# Allegro board LED_FIN.brd (continued)
## Routing (per net, layer and track width the routed paths; a pad name or vN(x,y) marks a point on that pad's centre or on a via; arc(x,y) is an arc through that point) (continued)
ROW_OUT_C26: length 240
  TOP w0.6: U98.1 276.75,219.7 D12900.3 D12899.3 D12898.3 D12897.3 D12896.3 D12895.3 D12894.3 D12893.3 D12892.3 D12891.3 D12890.3 D12889.3 D12888.3 D12887.3 D12886.3 D12885.3 D12884.3 D12883.3 D12882.3 D12881.3 D12880.3 D12879.3 D12878.3 D12877.3 D12876.3 D12875.3 D12874.3 D12873.3 D12872.3 D12871.3 D11760.3 D11759.3 D11758.3 D11757.3 D11756.3 D11755.3 D11754.3 D11753.3 D11752.3 D11751.3 D11750.3 D11749.3 D11748.3 D11747.3 D11746.3 D11745.3 D11744.3 D11743.3 D11742.3 D11741.3 D11740.3 D11739.3 D11738.3 D11737.3 D11736.3 D11735.3 D11734.3 D11733.3 D11732.3 D11731.3 D10620.3 D10619.3 D10618.3 D10617.3 D10616.3 D10615.3 D10614.3 D10613.3 D10612.3 D10611.3 D10610.3 D10609.3 D10608.3 D10607.3 D10606.3 D10605.3 D10604.3 D10603.3 D10602.3 D10601.3 D10600.3 D10599.3 D10598.3 D10597.3 D10596.3 D10595.3 D10594.3 D10593.3 D10592.3 D10591.3 D9480.3 D9479.3 D9478.3 D9477.3 D9476.3 D9475.3 D9474.3 D9473.3 D9472.3 D9471.3 D9470.3 D9469.3 D9468.3 D9467.3 D9466.3 D9465.3 D9464.3 D9463.3 D9462.3 D9461.3 D9460.3 D9459.3 D9458.3 D9457.3 D9456.3 D9455.3 D9454.3 D9453.3 D9452.3 D9451.3
ROW_OUT_C27: length 240
  TOP w0.6: U97.1 276.75,221.7 D12870.3 D12869.3 D12868.3 D12867.3 D12866.3 D12865.3 D12864.3 D12863.3 D12862.3 D12861.3 D12860.3 D12859.3 D12858.3 D12857.3 D12856.3 D12855.3 D12854.3 D12853.3 D12852.3 D12851.3 D12850.3 D12849.3 D12848.3 D12847.3 D12846.3 D12845.3 D12844.3 D12843.3 D12842.3 D12841.3 D11730.3 D11729.3 D11728.3 D11727.3 D11726.3 D11725.3 D11724.3 D11723.3 D11722.3 D11721.3 D11720.3 D11719.3 D11718.3 D11717.3 D11716.3 D11715.3 D11714.3 D11713.3 D11712.3 D11711.3 D11710.3 D11709.3 D11708.3 D11707.3 D11706.3 D11705.3 D11704.3 D11703.3 D11702.3 D11701.3 D10590.3 D10589.3 D10588.3 D10587.3 D10586.3 D10585.3 D10584.3 D10583.3 D10582.3 D10581.3 D10580.3 D10579.3 D10578.3 D10577.3 D10576.3 D10575.3 D10574.3 D10573.3 D10572.3 D10571.3 D10570.3 D10569.3 D10568.3 D10567.3 D10566.3 D10565.3 D10564.3 D10563.3 D10562.3 D10561.3 D9450.3 D9449.3 D9448.3 D9447.3 D9446.3 D9445.3 D9444.3 D9443.3 D9442.3 D9441.3 D9440.3 D9439.3 D9438.3 D9437.3 D9436.3 D9435.3 D9434.3 D9433.3 D9432.3 D9431.3 D9430.3 D9429.3 D9428.3 D9427.3 D9426.3 D9425.3 D9424.3 D9423.3 D9422.3 D9421.3
ROW_OUT_C28: length 240
  TOP w0.6: U96.1 276.75,223.7 D12840.3 D12839.3 D12838.3 D12837.3 D12836.3 D12835.3 D12834.3 D12833.3 D12832.3 D12831.3 D12830.3 D12829.3 D12828.3 D12827.3 D12826.3 D12825.3 D12824.3 D12823.3 D12822.3 D12821.3 D12820.3 D12819.3 D12818.3 D12817.3 D12816.3 D12815.3 D12814.3 D12813.3 D12812.3 D12811.3 D11700.3 D11699.3 D11698.3 D11697.3 D11696.3 D11695.3 D11694.3 D11693.3 D11692.3 D11691.3 D11690.3 D11689.3 D11688.3 D11687.3 D11686.3 D11685.3 D11684.3 D11683.3 D11682.3 D11681.3 D11680.3 D11679.3 D11678.3 D11677.3 D11676.3 D11675.3 D11674.3 D11673.3 D11672.3 D11671.3 D10560.3 D10559.3 D10558.3 D10557.3 D10556.3 D10555.3 D10554.3 D10553.3 D10552.3 D10551.3 D10550.3 D10549.3 D10548.3 D10547.3 D10546.3 D10545.3 D10544.3 D10543.3 D10542.3 D10541.3 D10540.3 D10539.3 D10538.3 D10537.3 D10536.3 D10535.3 D10534.3 D10533.3 D10532.3 D10531.3 D9420.3 D9419.3 D9418.3 D9417.3 D9416.3 D9415.3 D9414.3 D9413.3 D9412.3 D9411.3 D9410.3 D9409.3 D9408.3 D9407.3 D9406.3 D9405.3 D9404.3 D9403.3 D9402.3 D9401.3 D9400.3 D9399.3 D9398.3 D9397.3 D9396.3 D9395.3 D9394.3 D9393.3 D9392.3 D9391.3
ROW_OUT_C29: length 240
  TOP w0.6: U95.1 276.75,225.7 D12810.3 D12809.3 D12808.3 D12807.3 D12806.3 D12805.3 D12804.3 D12803.3 D12802.3 D12801.3 D12800.3 D12799.3 D12798.3 D12797.3 D12796.3 D12795.3 D12794.3 D12793.3 D12792.3 D12791.3 D12790.3 D12789.3 D12788.3 D12787.3 D12786.3 D12785.3 D12784.3 D12783.3 D12782.3 D12781.3 D11670.3 D11669.3 D11668.3 D11667.3 D11666.3 D11665.3 D11664.3 D11663.3 D11662.3 D11661.3 D11660.3 D11659.3 D11658.3 D11657.3 D11656.3 D11655.3 D11654.3 D11653.3 D11652.3 D11651.3 D11650.3 D11649.3 D11648.3 D11647.3 D11646.3 D11645.3 D11644.3 D11643.3 D11642.3 D11641.3 D10530.3 D10529.3 D10528.3 D10527.3 D10526.3 D10525.3 D10524.3 D10523.3 D10522.3 D10521.3 D10520.3 D10519.3 D10518.3 D10517.3 D10516.3 D10515.3 D10514.3 D10513.3 D10512.3 D10511.3 D10510.3 D10509.3 D10508.3 D10507.3 D10506.3 D10505.3 D10504.3 D10503.3 D10502.3 D10501.3 D9390.3 D9389.3 D9388.3 D9387.3 D9386.3 D9385.3 D9384.3 D9383.3 D9382.3 D9381.3 D9380.3 D9379.3 D9378.3 D9377.3 D9376.3 D9375.3 D9374.3 D9373.3 D9372.3 D9371.3 D9370.3 D9369.3 D9368.3 D9367.3 D9366.3 D9365.3 D9364.3 D9363.3 D9362.3 D9361.3
ROW_OUT_C30: length 240
  TOP w0.6: D9331.3 D9332.3 D9333.3 D9334.3 D9335.3 D9336.3 D9337.3 D9338.3 D9339.3 D9340.3 D9341.3 D9342.3 D9343.3 D9344.3 D9345.3 D9346.3 D9347.3 D9348.3 D9349.3 D9350.3 D9351.3 D9352.3 D9353.3 D9354.3 D9355.3 D9356.3 D9357.3 D9358.3 D9359.3 D9360.3 D10471.3 D10472.3 D10473.3 D10474.3 D10475.3 D10476.3 D10477.3 D10478.3 D10479.3 D10480.3 D10481.3 D10482.3 D10483.3 D10484.3 D10485.3 D10486.3 D10487.3 D10488.3 D10489.3 D10490.3 D10491.3 D10492.3 D10493.3 D10494.3 D10495.3 D10496.3 D10497.3 D10498.3 D10499.3 D10500.3 D11611.3 D11612.3 D11613.3 D11614.3 D11615.3 D11616.3 D11617.3 D11618.3 D11619.3 D11620.3 D11621.3 D11622.3 D11623.3 D11624.3 D11625.3 D11626.3 D11627.3 D11628.3 D11629.3 D11630.3 D11631.3 D11632.3 D11633.3 D11634.3 D11635.3 D11636.3 D11637.3 D11638.3 D11639.3 D11640.3 D12751.3 D12752.3 D12753.3 D12754.3 D12755.3 D12756.3 D12757.3 D12758.3 D12759.3 D12760.3 D12761.3 D12762.3 D12763.3 D12764.3 D12765.3 D12766.3 D12767.3 D12768.3 D12769.3 D12770.3 D12771.3 D12772.3 D12773.3 D12774.3 D12775.3 D12776.3 D12777.3 D12778.3 D12779.3 D12780.3 276.75,227.7 U94.1
ROW_OUT_C31: length 240
  TOP w0.6: D9301.3 D9302.3 D9303.3 D9304.3 D9305.3 D9306.3 D9307.3 D9308.3 D9309.3 D9310.3 D9311.3 D9312.3 D9313.3 D9314.3 D9315.3 D9316.3 D9317.3 D9318.3 D9319.3 D9320.3 D9321.3 D9322.3 D9323.3 D9324.3 D9325.3 D9326.3 D9327.3 D9328.3 D9329.3 D9330.3 D10441.3 D10442.3 D10443.3 D10444.3 D10445.3 D10446.3 D10447.3 D10448.3 D10449.3 D10450.3 D10451.3 D10452.3 D10453.3 D10454.3 D10455.3 D10456.3 D10457.3 D10458.3 D10459.3 D10460.3 D10461.3 D10462.3 D10463.3 D10464.3 D10465.3 D10466.3 D10467.3 D10468.3 D10469.3 D10470.3 D11581.3 D11582.3 D11583.3 D11584.3 D11585.3 D11586.3 D11587.3 D11588.3 D11589.3 D11590.3 D11591.3 D11592.3 D11593.3 D11594.3 D11595.3 D11596.3 D11597.3 D11598.3 D11599.3 D11600.3 D11601.3 D11602.3 D11603.3 D11604.3 D11605.3 D11606.3 D11607.3 D11608.3 D11609.3 D11610.3 D12721.3 D12722.3 D12723.3 D12724.3 D12725.3 D12726.3 D12727.3 D12728.3 D12729.3 D12730.3 D12731.3 D12732.3 D12733.3 D12734.3 D12735.3 D12736.3 D12737.3 D12738.3 D12739.3 D12740.3 D12741.3 D12742.3 D12743.3 D12744.3 D12745.3 D12746.3 D12747.3 D12748.3 D12749.3 D12750.3 276.75,229.7 U93.1
ROW_OUT_C32: length 240
  TOP w0.6: D9271.3 D9272.3 D9273.3 D9274.3 D9275.3 D9276.3 D9277.3 D9278.3 D9279.3 D9280.3 D9281.3 D9282.3 D9283.3 D9284.3 D9285.3 D9286.3 D9287.3 D9288.3 D9289.3 D9290.3 D9291.3 D9292.3 D9293.3 D9294.3 D9295.3 D9296.3 D9297.3 D9298.3 D9299.3 D9300.3 D10411.3 D10412.3 D10413.3 D10414.3 D10415.3 D10416.3 D10417.3 D10418.3 D10419.3 D10420.3 D10421.3 D10422.3 D10423.3 D10424.3 D10425.3 D10426.3 D10427.3 D10428.3 D10429.3 D10430.3 D10431.3 D10432.3 D10433.3 D10434.3 D10435.3 D10436.3 D10437.3 D10438.3 D10439.3 D10440.3 D11551.3 D11552.3 D11553.3 D11554.3 D11555.3 D11556.3 D11557.3 D11558.3 D11559.3 D11560.3 D11561.3 D11562.3 D11563.3 D11564.3 D11565.3 D11566.3 D11567.3 D11568.3 D11569.3 D11570.3 D11571.3 D11572.3 D11573.3 D11574.3 D11575.3 D11576.3 D11577.3 D11578.3 D11579.3 D11580.3 D12691.3 D12692.3 D12693.3 D12694.3 D12695.3 D12696.3 D12697.3 D12698.3 D12699.3 D12700.3 D12701.3 D12702.3 D12703.3 D12704.3 D12705.3 D12706.3 D12707.3 D12708.3 D12709.3 D12710.3 D12711.3 D12712.3 D12713.3 D12714.3 D12715.3 D12716.3 D12717.3 D12718.3 D12719.3 D12720.3 276.75,231.7 U92.1
ROW_OUT_C33: length 240
  TOP w0.6: D9241.3 D9242.3 D9243.3 D9244.3 D9245.3 D9246.3 D9247.3 D9248.3 D9249.3 D9250.3 D9251.3 D9252.3 D9253.3 D9254.3 D9255.3 D9256.3 D9257.3 D9258.3 D9259.3 D9260.3 D9261.3 D9262.3 D9263.3 D9264.3 D9265.3 D9266.3 D9267.3 D9268.3 D9269.3 D9270.3 D10381.3 D10382.3 D10383.3 D10384.3 D10385.3 D10386.3 D10387.3 D10388.3 D10389.3 D10390.3 D10391.3 D10392.3 D10393.3 D10394.3 D10395.3 D10396.3 D10397.3 D10398.3 D10399.3 D10400.3 D10401.3 D10402.3 D10403.3 D10404.3 D10405.3 D10406.3 D10407.3 D10408.3 D10409.3 D10410.3 D11521.3 D11522.3 D11523.3 D11524.3 D11525.3 D11526.3 D11527.3 D11528.3 D11529.3 D11530.3 D11531.3 D11532.3 D11533.3 D11534.3 D11535.3 D11536.3 D11537.3 D11538.3 D11539.3 D11540.3 D11541.3 D11542.3 D11543.3 D11544.3 D11545.3 D11546.3 D11547.3 D11548.3 D11549.3 D11550.3 D12661.3 D12662.3 D12663.3 D12664.3 D12665.3 D12666.3 D12667.3 D12668.3 D12669.3 D12670.3 D12671.3 D12672.3 D12673.3 D12674.3 D12675.3 D12676.3 D12677.3 D12678.3 D12679.3 D12680.3 D12681.3 D12682.3 D12683.3 D12684.3 D12685.3 D12686.3 D12687.3 D12688.3 D12689.3 D12690.3 276.75,233.7 U91.1
ROW_OUT_C34: length 240
  TOP w0.6: U90.1 276.75,235.7 D12660.3 D12659.3 D12658.3 D12657.3 D12656.3 D12655.3 D12654.3 D12653.3 D12652.3 D12651.3 D12650.3 D12649.3 D12648.3 D12647.3 D12646.3 D12645.3 D12644.3 D12643.3 D12642.3 D12641.3 D12640.3 D12639.3 D12638.3 D12637.3 D12636.3 D12635.3 D12634.3 D12633.3 D12632.3 D12631.3 D11520.3 D11519.3 D11518.3 D11517.3 D11516.3 D11515.3 D11514.3 D11513.3 D11512.3 D11511.3 D11510.3 D11509.3 D11508.3 D11507.3 D11506.3 D11505.3 D11504.3 D11503.3 D11502.3 D11501.3 D11500.3 D11499.3 D11498.3 D11497.3 D11496.3 D11495.3 D11494.3 D11493.3 D11492.3 D11491.3 D10380.3 D10379.3 D10378.3 D10377.3 D10376.3 D10375.3 D10374.3 D10373.3 D10372.3 D10371.3 D10370.3 D10369.3 D10368.3 D10367.3 D10366.3 D10365.3 D10364.3 D10363.3 D10362.3 D10361.3 D10360.3 D10359.3 D10358.3 D10357.3 D10356.3 D10355.3 D10354.3 D10353.3 D10352.3 D10351.3 D9240.3 D9239.3 D9238.3 D9237.3 D9236.3 D9235.3 D9234.3 D9233.3 D9232.3 D9231.3 D9230.3 D9229.3 D9228.3 D9227.3 D9226.3 D9225.3 D9224.3 D9223.3 D9222.3 D9221.3 D9220.3 D9219.3 D9218.3 D9217.3 D9216.3 D9215.3 D9214.3 D9213.3 D9212.3 D9211.3
ROW_OUT_C35: length 240
  TOP w0.6: D9181.3 D9182.3 D9183.3 D9184.3 D9185.3 D9186.3 D9187.3 D9188.3 D9189.3 D9190.3 D9191.3 D9192.3 D9193.3 D9194.3 D9195.3 D9196.3 D9197.3 D9198.3 D9199.3 D9200.3 D9201.3 D9202.3 D9203.3 D9204.3 D9205.3 D9206.3 D9207.3 D9208.3 D9209.3 D9210.3 D10321.3 D10322.3 D10323.3 D10324.3 D10325.3 D10326.3 D10327.3 D10328.3 D10329.3 D10330.3 D10331.3 D10332.3 D10333.3 D10334.3 D10335.3 D10336.3 D10337.3 D10338.3 D10339.3 D10340.3 D10341.3 D10342.3 D10343.3 D10344.3 D10345.3 D10346.3 D10347.3 D10348.3 D10349.3 D10350.3 D11461.3 D11462.3 D11463.3 D11464.3 D11465.3 D11466.3 D11467.3 D11468.3 D11469.3 D11470.3 D11471.3 D11472.3 D11473.3 D11474.3 D11475.3 D11476.3 D11477.3 D11478.3 D11479.3 D11480.3 D11481.3 D11482.3 D11483.3 D11484.3 D11485.3 D11486.3 D11487.3 D11488.3 D11489.3 D11490.3 D12601.3 D12602.3 D12603.3 D12604.3 D12605.3 D12606.3 D12607.3 D12608.3 D12609.3 D12610.3 D12611.3 D12612.3 D12613.3 D12614.3 D12615.3 D12616.3 D12617.3 D12618.3 D12619.3 D12620.3 D12621.3 D12622.3 D12623.3 D12624.3 D12625.3 D12626.3 D12627.3 D12628.3 D12629.3 D12630.3 276.75,237.7 U89.1
ROW_OUT_C36: length 240
  TOP w0.6: D9151.3 D9152.3 D9153.3 D9154.3 D9155.3 D9156.3 D9157.3 D9158.3 D9159.3 D9160.3 D9161.3 D9162.3 D9163.3 D9164.3 D9165.3 D9166.3 D9167.3 D9168.3 D9169.3 D9170.3 D9171.3 D9172.3 D9173.3 D9174.3 D9175.3 D9176.3 D9177.3 D9178.3 D9179.3 D9180.3 D10291.3 D10292.3 D10293.3 D10294.3 D10295.3 D10296.3 D10297.3 D10298.3 D10299.3 D10300.3 D10301.3 D10302.3 D10303.3 D10304.3 D10305.3 D10306.3 D10307.3 D10308.3 D10309.3 D10310.3 D10311.3 D10312.3 D10313.3 D10314.3 D10315.3 D10316.3 D10317.3 D10318.3 D10319.3 D10320.3 D11431.3 D11432.3 D11433.3 D11434.3 D11435.3 D11436.3 D11437.3 D11438.3 D11439.3 D11440.3 D11441.3 D11442.3 D11443.3 D11444.3 D11445.3 D11446.3 D11447.3 D11448.3 D11449.3 D11450.3 D11451.3 D11452.3 D11453.3 D11454.3 D11455.3 D11456.3 D11457.3 D11458.3 D11459.3 D11460.3 D12571.3 D12572.3 D12573.3 D12574.3 D12575.3 D12576.3 D12577.3 D12578.3 D12579.3 D12580.3 D12581.3 D12582.3 D12583.3 D12584.3 D12585.3 D12586.3 D12587.3 D12588.3 D12589.3 D12590.3 D12591.3 D12592.3 D12593.3 D12594.3 D12595.3 D12596.3 D12597.3 D12598.3 D12599.3 D12600.3 276.75,239.7 U88.1
ROW_OUT_C37: length 240
  TOP w0.6: U87.1 276.75,241.7 D12570.3 D12569.3 D12568.3 D12567.3 D12566.3 D12565.3 D12564.3 D12563.3 D12562.3 D12561.3 D12560.3 D12559.3 D12558.3 D12557.3 D12556.3 D12555.3 D12554.3 D12553.3 D12552.3 D12551.3 D12550.3 D12549.3 D12548.3 D12547.3 D12546.3 D12545.3 D12544.3 D12543.3 D12542.3 D12541.3 D11430.3 D11429.3 D11428.3 D11427.3 D11426.3 D11425.3 D11424.3 D11423.3 D11422.3 D11421.3 D11420.3 D11419.3 D11418.3 D11417.3 D11416.3 D11415.3 D11414.3 D11413.3 D11412.3 D11411.3 D11410.3 D11409.3 D11408.3 D11407.3 D11406.3 D11405.3 D11404.3 D11403.3 D11402.3 D11401.3 D10290.3 D10289.3 D10288.3 D10287.3 D10286.3 D10285.3 D10284.3 D10283.3 D10282.3 D10281.3 D10280.3 D10279.3 D10278.3 D10277.3 D10276.3 D10275.3 D10274.3 D10273.3 D10272.3 D10271.3 D10270.3 D10269.3 D10268.3 D10267.3 D10266.3 D10265.3 D10264.3 D10263.3 D10262.3 D10261.3 D9150.3 D9149.3 D9148.3 D9147.3 D9146.3 D9145.3 D9144.3 D9143.3 D9142.3 D9141.3 D9140.3 D9139.3 D9138.3 D9137.3 D9136.3 D9135.3 D9134.3 D9133.3 D9132.3 D9131.3 D9130.3 D9129.3 D9128.3 D9127.3 D9126.3 D9125.3 D9124.3 D9123.3 D9122.3 D9121.3
N3903818: length 5
  TOP w0.2: CSS.1 19.25,27.8 20.55,26.5 20.55,25.21 20.71,25.05 U515.2
N3903924: length 8.7
  TOP w0.2: CCOMP2.1 17.8,25 18.05,25.25 18.9,25.25 18.95,25.3 18.95,25.35 18.9,25.4 v1(18.75,25.4) 18.7,25.45 CCOMP1.1 ; U515.4 v1(22.92,24.05)
  BOTTOM w0.2: v1(18.75,25.4) 21.57,25.4 v1(22.92,24.05)
N3903933: length 4.7
  TOP w0.2: 19.25,23.55 19.25,23.25 RCOMP1.2 ; 19.25,23.55 19.25,23.85 CCOMP2.2 ; 19.25,23.55 U515.5
N3904120: length 19.8
  TOP w0.2: M1.1 v1(28.55,16.42) ; v1(24.11,26.72) 26.25,26.72 27.08,25.88 27.08,25.15 26.98,25.05 U515.9
  BOTTOM w0.2: v1(28.55,16.42) 26.06,16.42 24.11,18.37 v1(24.11,26.72)
N3904132: length 31.4
  TOP w0.2: 29.9,20.05 29.35,20.6 L1.1 29.35,21.95 v1(28.95,22.35) 25.61,22.35 24.91,23.05 24.91,24.45 25.01,24.55 U515.8 ; 29.9,20.05 CBST.2 ; 29.9,20.05 33.45,20.05 34.45,19.05 34.45,18.4 33.45,17.4 M1.2 ; M2.3 v1(28.95,31.93)
  BOTTOM w0.2: v1(28.95,31.93) v1(28.95,22.35)
N3904203: length 8.9
  TOP w0.2: U515.3 20.72,24.55 v1(20.65,24.48) ; RPGOOD.2 v1(16.82,19.3)
  BOTTOM w0.2: v1(16.82,19.3) 16.82,20.65 v1(20.65,24.48)
N3904207: length 15.2
  TOP w0.2: 19.49,19.3 19.49,20.76 19.25,21 CBYP.1 ; 19.49,19.3 RPGOOD.1 ; 19.49,19.3 22,19.3 DS.1 24.83,19.13 v1(25.9,19.13) ; U515.6 26,22.95 v1(25.9,22.85)
  BOTTOM w0.2: v1(25.9,19.13) v1(25.9,22.85)
N3904607: length 18.4
  TOP w0.2: U515.10 24.9,25.55 24.51,25.15 24.51,21.57 26.03,20.05 27.43,20.05 ; 27.43,20.05 CBST.1 ; 27.43,20.05 27.43,16.42 24.8,13.8 DS.2
N3904814: length 14.1
  TOP w0.2: M2.1 26.9,30.35 v1(26.3,29.75) ; U515.7 27.09,24.05 27.22,23.92 27.22,23.31 27,23.08 v1(26.5,23.08) ; RS.1 v1(26.3,28.65)
  BOTTOM w0.2: v1(26.3,29.75) v1(26.3,28.65) 26.5,28.45 v1(26.5,23.08)
N3905495: length 4.6
  TOP w0.2: RFBT.2 29.9,25.3 ; 29.9,25.3 29.9,24.15 CCOMP3.2 ; 29.9,25.3 RFBB.1
N4920136: length 11.7
  TOP w1.5: SW1.1 23.1,38.55 DS1.1
N4920411: length 4.8
  TOP w0.2: RPOWER.2 U516.6 31.05,34.1 30.9,34.1 ; U516.5 30.9,34.1 ; 30.9,34.1 30.75,34.1 U516.4
N6080683: length 68.2
  TOP w0.2: U517.1 7.66,44.89 J1.39
N6215946: length 68.1
  TOP w0.2: J1.40 7.57,43.62 U518.1
N32006150: length 0.6
  TOP w0.2: R1.2 U155.3
N32009600: length 0.6
  TOP w0.2: R2.2 U156.3
N35280400: length 0.6
  TOP w0.2: R3.2 U157.3
N35280620: length 0.6
  TOP w0.2: R4.2 U158.3
N35281550: length 0.6
  TOP w0.2: R5.2 U159.3
N35281770: length 0.6
  TOP w0.2: R6.2 U160.3
N35282700: length 0.6
  TOP w0.2: R7.2 U161.3
N35282920: length 0.6
  TOP w0.2: R8.2 U162.3
N35283870: length 0.6
  TOP w0.2: R9.2 U163.3
N35284090: length 0.6
  TOP w0.2: R10.2 U164.3
N35286180: length 0.6
  TOP w0.2: R11.2 U165.3
N35286400: length 0.6
  TOP w0.2: R12.2 U166.3
N35286620: length 0.6
  TOP w0.2: R13.2 U167.3
N35286800: length 0.6
  TOP w0.2: R14.2 U168.3
N35287060: length 0.6
  TOP w0.2: R15.2 U169.3
N35287280: length 0.6
  TOP w0.2: R16.2 U170.3
N35287500: length 0.6
  TOP w0.2: R17.2 U171.3
N35287720: length 0.6
  TOP w0.2: R18.2 U172.3
N35287940: length 0.6
  TOP w0.2: R19.2 U173.3
N35288160: length 0.6
  TOP w0.2: R20.2 U174.3
N35290300: length 0.6
  TOP w0.2: R21.2 U175.3
N35290520: length 0.6
  TOP w0.2: R22.2 U176.3
N35290740: length 0.6
  TOP w0.2: R23.2 U177.3
N35290920: length 0.6
  TOP w0.2: R24.2 U178.3
N35291180: length 0.6
  TOP w0.2: R25.2 U179.3
N35291400: length 0.6
  TOP w0.2: R26.2 U180.3
N35291620: length 0.6
  TOP w0.2: R27.2 U181.3
N35291840: length 0.6
  TOP w0.2: R28.2 U182.3
N35292060: length 0.6
  TOP w0.2: R29.2 U183.3
N35292280: length 0.6
  TOP w0.2: R30.2 U184.3
N35332200: length 0.6
  TOP w0.2: R31.2 U185.3
N35332420: length 0.6
  TOP w0.2: R32.2 U186.3
N35332640: length 0.6
  TOP w0.2: R33.2 U187.3
N35332820: length 0.6
  TOP w0.2: R34.2 U188.3
N35333080: length 0.6
  TOP w0.2: R35.2 U189.3
N35333300: length 0.6
  TOP w0.2: R36.2 U190.3
N35333520: length 0.6
  TOP w0.2: R37.2 U191.3
N35333740: length 0.6
  TOP w0.2: R38.2 U192.3
N35333960: length 0.6
  TOP w0.2: R39.2 U193.3
N35334180: length 0.6
  TOP w0.2: R40.2 U194.3
N35334400: length 0.6
  TOP w0.2: R41.2 U195.3
N35334620: length 0.6
  TOP w0.2: R42.2 U196.3
N35334840: length 0.6
  TOP w0.2: R43.2 U197.3
N35335020: length 0.6
  TOP w0.2: R44.2 U198.3
N35335280: length 0.6
  TOP w0.2: R45.2 U199.3
N35335500: length 0.6
  TOP w0.2: R46.2 U200.3
N35335680: length 0.6
  TOP w0.2: R47.2 U201.3
N35335940: length 0.6
  TOP w0.2: R48.2 U202.3
N35336160: length 0.6
  TOP w0.2: R49.2 U203.3
N35336380: length 0.6
  TOP w0.2: R50.2 U204.3
N35336600: length 0.6
  TOP w0.2: R51.2 U205.3
N35336820: length 0.6
  TOP w0.2: R52.2 U206.3
N35337040: length 0.6
  TOP w0.2: R53.2 U207.3
N35337220: length 0.6
  TOP w0.2: R54.2 U208.3
N35337440: length 0.6
  TOP w0.2: R55.2 U209.3
N35337700: length 0.6
  TOP w0.2: R56.2 U210.3
N35337920: length 0.6
  TOP w0.2: R57.2 U211.3
N35338140: length 0.6
  TOP w0.2: R58.2 U212.3
N35338360: length 0.6
  TOP w0.2: R59.2 U213.3
N35338580: length 0.6
  TOP w0.2: R60.2 U214.3
N35358360: length 0.6
  TOP w0.2: R61.2 U215.3
N35358580: length 0.6
  TOP w0.2: R62.2 U216.3
N35358800: length 0.6
  TOP w0.2: R63.2 U217.3
N35358980: length 0.6
  TOP w0.2: R64.2 U218.3
N35359240: length 0.6
  TOP w0.2: R65.2 U219.3
N35359460: length 0.6
  TOP w0.2: R66.2 U220.3
N35359680: length 0.6
  TOP w0.2: R67.2 U221.3
N35359900: length 0.6
  TOP w0.2: R68.2 U222.3
N35360120: length 0.6
  TOP w0.2: R69.2 U223.3
N35360340: length 0.6
  TOP w0.2: R70.2 U224.3
N35360560: length 0.6
  TOP w0.2: R71.2 U225.3
N35360780: length 0.6
  TOP w0.2: R72.2 U226.3
N35361000: length 0.6
  TOP w0.2: R73.2 U227.3
N35361180: length 0.6
  TOP w0.2: R74.2 U228.3
N35361440: length 0.6
  TOP w0.2: R75.2 U229.3
N35361660: length 0.6
  TOP w0.2: R76.2 U230.3
N35361840: length 0.6
  TOP w0.2: R77.2 U231.3
N35362100: length 0.6
  TOP w0.2: R78.2 U232.3
N35362320: length 0.6
  TOP w0.2: R79.2 U233.3
N35362540: length 0.6
  TOP w0.2: R80.2 U234.3
N35362760: length 0.6
  TOP w0.2: R81.2 U235.3
N35362980: length 0.6
  TOP w0.2: R82.2 U236.3
N35363200: length 0.6
  TOP w0.2: R83.2 U237.3
N35363380: length 0.6
  TOP w0.2: R84.2 U238.3
N35363600: length 0.6
  TOP w0.2: R85.2 U239.3
N35363860: length 0.6
  TOP w0.2: R86.2 U240.3
N35364080: length 0.6
  TOP w0.2: R87.2 U241.3
N35364300: length 0.6
  TOP w0.2: R88.2 U242.3
N35364520: length 0.6
  TOP w0.2: R89.2 U243.3
N35364740: length 0.6
  TOP w0.2: R90.2 U244.3
N35384990: length 0.6
  TOP w0.2: R91.2 U245.3
N35385210: length 0.6
  TOP w0.2: R92.2 U246.3
N35385430: length 0.6
  TOP w0.2: R93.2 U247.3
N35385610: length 0.6
  TOP w0.2: R94.2 U248.3
N35385870: length 0.6
  TOP w0.2: R95.2 U249.3
N35386090: length 0.6
  TOP w0.2: R96.2 U250.3
N35386310: length 0.6
  TOP w0.2: R97.2 U251.3
N35386530: length 0.6
  TOP w0.2: R98.2 U252.3
N35386750: length 0.6
  TOP w0.2: R99.2 U253.3
N35386970: length 0.6
  TOP w0.2: R100.2 U254.3
N35387190: length 0.6
  TOP w0.2: R101.2 U255.3
N35387410: length 0.6
  TOP w0.2: R102.2 U256.3
N35387630: length 0.6
  TOP w0.2: R103.2 U257.3
N35387810: length 0.6
  TOP w0.2: R104.2 U258.3
N35388070: length 0.6
  TOP w0.2: R105.2 U259.3
N35388290: length 0.6
  TOP w0.2: R106.2 U260.3
N35388470: length 0.6
  TOP w0.2: R107.2 U261.3
N35388730: length 0.6
  TOP w0.2: R108.2 U262.3
N35388950: length 0.6
  TOP w0.2: R109.2 U263.3
N35389170: length 0.6
  TOP w0.2: R110.2 U264.3
N35389390: length 0.6
  TOP w0.2: R111.2 U265.3
N35389610: length 0.6
  TOP w0.2: R112.2 U266.3
N35389830: length 0.6
  TOP w0.2: R113.2 U267.3
N35390010: length 0.6
  TOP w0.2: R114.2 U268.3
N35390230: length 0.6
  TOP w0.2: R115.2 U269.3
N35390490: length 0.6
  TOP w0.2: R116.2 U270.3
N35390710: length 0.6
  TOP w0.2: R117.2 U271.3
N35390930: length 0.6
  TOP w0.2: R118.2 U272.3
N35391150: length 0.6
  TOP w0.2: R119.2 U273.3
N35391370: length 0.6
  TOP w0.2: R120.2 U274.3
N37150590: length 0.6
  TOP w0.2: U275.3 R174.2
N37150810: length 0.6
  TOP w0.2: U276.3 R175.2
N37151070: length 0.6
  TOP w0.2: U277.3 R176.2
N37151290: length 0.6
  TOP w0.2: U278.3 R177.2
N37151510: length 0.6
  TOP w0.2: U279.3 R178.2
N37151730: length 0.6
  TOP w0.2: U280.3 R179.2
N37151950: length 0.6
  TOP w0.2: U281.3 R180.2
N37155190: length 0.6
  TOP w0.2: U282.3 R181.2
N37155410: length 0.6
  TOP w0.2: U283.3 R182.2
N37155630: length 0.6
  TOP w0.2: U284.3 R183.2
N37155810: length 0.6
  TOP w0.2: U285.3 R184.2
N37156070: length 0.6
  TOP w0.2: U286.3 R185.2
N37156290: length 0.6
  TOP w0.2: U287.3 R186.2
N37156510: length 0.6
  TOP w0.2: U288.3 R187.2
N37156730: length 0.6
  TOP w0.2: U289.3 R188.2
N37156950: length 0.6
  TOP w0.2: U290.3 R189.2
N37157170: length 0.6
  TOP w0.2: U291.3 R190.2
N37157390: length 0.6
  TOP w0.2: U292.3 R191.2
N37157570: length 0.6
  TOP w0.2: U293.3 R192.2
N37157830: length 0.6
  TOP w0.2: U294.3 R193.2
N37158010: length 0.6
  TOP w0.2: U295.3 R194.2
N37158270: length 0.6
  TOP w0.2: U296.3 R195.2
N37158490: length 0.6
  TOP w0.2: U297.3 R196.2
N37158670: length 0.6
  TOP w0.2: U298.3 R197.2
N37158930: length 0.6
  TOP w0.2: U299.3 R198.2
N37159150: length 0.6
  TOP w0.2: U300.3 R199.2
N37159330: length 0.6
  TOP w0.2: U301.3 R200.2
N37159590: length 0.6
  TOP w0.2: U302.3 R201.2
N37159810: length 0.6
  TOP w0.2: U303.3 R202.2
N37160030: length 0.6
  TOP w0.2: U304.3 R203.2
N37160210: length 0.6
  TOP w0.2: U305.3 R204.2
N37160430: length 0.6
  TOP w0.2: U306.3 R205.2
N37160690: length 0.6
  TOP w0.2: U307.3 R206.2
N37160910: length 0.6
  TOP w0.2: U308.3 R207.2
N37161090: length 0.6
  TOP w0.2: U309.3 R208.2
N37161350: length 0.6
  TOP w0.2: U310.3 R209.2
N37161570: length 0.6
  TOP w0.2: U311.3 R210.2
N37164870: length 0.6
  TOP w0.2: U312.3 R121.2
N37165090: length 0.6
  TOP w0.2: U313.3 R122.2
N37165430: length 0.6
  TOP w0.2: U314.3 R211.2
N37165650: length 0.6
  TOP w0.2: U315.3 R212.2
N37165830: length 0.6
  TOP w0.2: U316.3 R213.2
N37166050: length 0.6
  TOP w0.2: U317.3 R214.2
N37166310: length 0.6
  TOP w0.2: U318.3 R215.2
N37166530: length 0.6
  TOP w0.2: U319.3 R216.2
N37166750: length 0.6
  TOP w0.2: U320.3 R217.2
N37166970: length 0.6
  TOP w0.2: U321.3 R218.2
N37167190: length 0.6
  TOP w0.2: U322.3 R219.2
N37167410: length 0.6
  TOP w0.2: U323.3 R220.2
N37167590: length 0.6
  TOP w0.2: U324.3 R221.2
N37167850: length 0.6
  TOP w0.2: U325.3 R222.2
N37168070: length 0.6
  TOP w0.2: U326.3 R223.2
N37168250: length 0.6
  TOP w0.2: U327.3 R224.2
N37168670: length 0.6
  TOP w0.2: U328.3 R225.2
N37168890: length 0.6
  TOP w0.2: U329.3 R226.2
N37169070: length 0.6
  TOP w0.2: U330.3 R227.2
N37169490: length 0.6
  TOP w0.2: U331.3 R228.2
N37169651: length 0.6
  TOP w0.2: U344.3 R123.2
N37169830: length 0.6
  TOP w0.2: U332.3 R229.2
N37170031: length 0.6
  TOP w0.2: U345.3 R124.2
N37170250: length 0.6
  TOP w0.2: U333.3 R230.2
N37170411: length 0.6
  TOP w0.2: U346.3 R125.2
N37170630: length 0.6
  TOP w0.2: U334.3 R231.2
N37170791: length 0.6
  TOP w0.2: U347.3 R126.2
N37171010: length 0.6
  TOP w0.2: U335.3 R232.2
N37171211: length 0.6
  TOP w0.2: U348.3 R127.2
N37171390: length 0.6
  TOP w0.2: U336.3 R233.2
N37171570: length 0.6
  TOP w0.2: U337.3 R234.2
N37171750: length 0.6
  TOP w0.2: U338.3 R235.2
N37171911: length 0.6
  TOP w0.2: U349.3 R128.2
N37172111: length 0.6
  TOP w0.2: U350.3 R129.2
N37172370: length 0.6
  TOP w0.2: U339.3 R236.2
N37172550: length 0.6
  TOP w0.2: U340.3 R237.2
N37172810: length 0.6
  TOP w0.2: U341.3 R238.2
N37173030: length 0.6
  TOP w0.2: U342.3 R239.2
N37173250: length 0.6
  TOP w0.2: U343.3 R240.2
N37173411: length 0.6
  TOP w0.2: U351.3 R130.2
N37173671: length 0.6
  TOP w0.2: U352.3 R131.2
N37173951: length 0.6
  TOP w0.2: U353.3 R132.2
N37174291: length 0.6
  TOP w0.2: U354.3 R133.2
N37174631: length 0.6
  TOP w0.2: U355.3 R134.2
N37174911: length 0.6
  TOP w0.2: U356.3 R135.2
N37175251: length 0.6
  TOP w0.2: U357.3 R136.2
N37175591: length 0.6
  TOP w0.2: U358.3 R137.2
N37175871: length 0.6
  TOP w0.2: U359.3 R138.2
N37177331: length 0.6
  TOP w0.2: U360.3 R139.2
N37177651: length 0.6
  TOP w0.2: U361.3 R140.2
N37177971: length 0.6
  TOP w0.2: U362.3 R141.2
N37178291: length 0.6
  TOP w0.2: U363.3 R142.2
N37178611: length 0.6
  TOP w0.2: U364.3 R143.2
N37178771: length 0.6
  TOP w0.2: U365.3 R144.2
N37178931: length 0.6
  TOP w0.2: U366.3 R145.2
N37179091: length 0.6
  TOP w0.2: U367.3 R146.2
N37179251: length 0.6
  TOP w0.2: U368.3 R147.2
N37179411: length 0.6
  TOP w0.2: U369.3 R148.2
N37179571: length 0.6
  TOP w0.2: U370.3 R149.2
N37179731: length 0.6
  TOP w0.2: U371.3 R150.2
N37179891: length 0.6
  TOP w0.2: U372.3 R151.2
N37180051: length 0.6
  TOP w0.2: U373.3 R152.2
N37180211: length 0.6
  TOP w0.2: U374.3 R153.2
N37180371: length 0.6
  TOP w0.2: U375.3 R154.2
N37180531: length 0.6
  TOP w0.2: U376.3 R155.2
N37180691: length 0.6
  TOP w0.2: U377.3 R156.2
N37180851: length 0.6
  TOP w0.2: U378.3 R157.2
N37181011: length 0.6
  TOP w0.2: U379.3 R158.2
N37181171: length 0.6
  TOP w0.2: U380.3 R159.2
N37181331: length 0.6
  TOP w0.2: U381.3 R160.2
N37181491: length 0.6
  TOP w0.2: U382.3 R161.2
N37181651: length 0.6
  TOP w0.2: U383.3 R162.2
N37181811: length 0.6
  TOP w0.2: U384.3 R163.2
N37181971: length 0.6
  TOP w0.2: U385.3 R164.2
N37182131: length 0.6
  TOP w0.2: U386.3 R165.2
N37182291: length 0.6
  TOP w0.2: U387.3 R166.2
N37182451: length 0.6
  TOP w0.2: U388.3 R167.2
N37182611: length 0.6
  TOP w0.2: U389.3 R168.2
N37182771: length 0.6
  TOP w0.2: U390.3 R169.2
N37182931: length 0.6
  TOP w0.2: U391.3 R170.2
N37183091: length 0.6
  TOP w0.2: U392.3 R171.2
N37183251: length 0.6
  TOP w0.2: U393.3 R172.2
N37183411: length 0.6
  TOP w0.2: U394.3 R173.2
N37314870: length 0.6
  TOP w0.2: U395.3 R294.2
N37315090: length 0.6
  TOP w0.2: U396.3 R295.2
N37315350: length 0.6
  TOP w0.2: U397.3 R296.2
N37315570: length 0.6
  TOP w0.2: U398.3 R297.2
N37315790: length 0.6
  TOP w0.2: U399.3 R298.2
N37316010: length 0.6
  TOP w0.2: U400.3 R299.2
N37316230: length 0.6
  TOP w0.2: U401.3 R300.2
N37319470: length 0.6
  TOP w0.2: U402.3 R301.2
N37319690: length 0.6
  TOP w0.2: U403.3 R302.2
N37319910: length 0.6
  TOP w0.2: U404.3 R303.2
N37320090: length 0.6
  TOP w0.2: U405.3 R304.2
N37320350: length 0.6
  TOP w0.2: U406.3 R305.2
N37320570: length 0.6
  TOP w0.2: U407.3 R306.2
N37320790: length 0.6
  TOP w0.2: U408.3 R307.2
N37321010: length 0.6
  TOP w0.2: U409.3 R308.2
N37321230: length 0.6
  TOP w0.2: U410.3 R309.2
N37321450: length 0.6
  TOP w0.2: U411.3 R310.2
N37321670: length 0.6
  TOP w0.2: U412.3 R311.2
N37321850: length 0.6
  TOP w0.2: U413.3 R312.2
N37322110: length 0.6
  TOP w0.2: U414.3 R313.2
N37322290: length 0.6
  TOP w0.2: U415.3 R314.2
N37322550: length 0.6
  TOP w0.2: U416.3 R315.2
N37322770: length 0.6
  TOP w0.2: U417.3 R316.2
N37322950: length 0.6
  TOP w0.2: U418.3 R317.2
N37323210: length 0.6
  TOP w0.2: U419.3 R318.2
N37323430: length 0.6
  TOP w0.2: U420.3 R319.2
N37323610: length 0.6
  TOP w0.2: U421.3 R320.2
N37323870: length 0.6
  TOP w0.2: U422.3 R321.2
N37324090: length 0.6
  TOP w0.2: U423.3 R322.2
N37324310: length 0.6
  TOP w0.2: U424.3 R323.2
N37324490: length 0.6
  TOP w0.2: U425.3 R324.2
N37324710: length 0.6
  TOP w0.2: U426.3 R325.2
N37324970: length 0.6
  TOP w0.2: U427.3 R326.2
N37325190: length 0.6
  TOP w0.2: U428.3 R327.2
N37325370: length 0.6
  TOP w0.2: U429.3 R328.2
N37325630: length 0.6
  TOP w0.2: U430.3 R329.2
N37325850: length 0.6
  TOP w0.2: U431.3 R330.2
N37329150: length 0.6
  TOP w0.2: U432.3 R241.2
N37329370: length 0.6
  TOP w0.2: U433.3 R242.2
N37329710: length 0.6
  TOP w0.2: U434.3 R331.2
N37329930: length 0.6
  TOP w0.2: U435.3 R332.2
N37330110: length 0.6
  TOP w0.2: U436.3 R333.2
N37330330: length 0.6
  TOP w0.2: U437.3 R334.2
N37330590: length 0.6
  TOP w0.2: U438.3 R335.2
N37330810: length 0.6
  TOP w0.2: U439.3 R336.2
N37331030: length 0.6
  TOP w0.2: U440.3 R337.2
N37331250: length 0.6
  TOP w0.2: U441.3 R338.2
N37331470: length 0.6
  TOP w0.2: U442.3 R339.2
N37331690: length 0.6
  TOP w0.2: U443.3 R340.2
N37331870: length 0.6
  TOP w0.2: U444.3 R341.2
N37332130: length 0.6
  TOP w0.2: U445.3 R342.2
N37332350: length 0.6
  TOP w0.2: U446.3 R343.2
N37332530: length 0.6
  TOP w0.2: U447.3 R344.2
N37332950: length 0.6
  TOP w0.2: U448.3 R345.2
N37333170: length 0.6
  TOP w0.2: U449.3 R346.2
N37333350: length 0.6
  TOP w0.2: U450.3 R347.2
N37333770: length 0.6
  TOP w0.2: U451.3 R348.2
N37333931: length 0.6
  TOP w0.2: U464.3 R243.2
N37334110: length 0.6
  TOP w0.2: U452.3 R349.2
N37334311: length 0.6
  TOP w0.2: U465.3 R244.2
N37334530: length 0.6
  TOP w0.2: U453.3 R350.2
N37334691: length 0.6
  TOP w0.2: U466.3 R245.2
N37334910: length 0.6
  TOP w0.2: U454.3 R351.2
N37335071: length 0.6
  TOP w0.2: U467.3 R246.2
N37335290: length 0.6
  TOP w0.2: U455.3 R352.2
N37335491: length 0.6
  TOP w0.2: U468.3 R247.2
N37335670: length 0.6
  TOP w0.2: U456.3 R353.2
N37335850: length 0.6
  TOP w0.2: U457.3 R354.2
N37336030: length 0.6
  TOP w0.2: U458.3 R355.2
N37336191: length 0.6
  TOP w0.2: U469.3 R248.2
N37336391: length 0.6
  TOP w0.2: U470.3 R249.2
N37336650: length 0.6
  TOP w0.2: U459.3 R356.2
N37336830: length 0.6
  TOP w0.2: U460.3 R357.2
N37337090: length 0.6
  TOP w0.2: U461.3 R358.2
N37337310: length 0.6
  TOP w0.2: U462.3 R359.2
N37337530: length 0.6
  TOP w0.2: U463.3 R360.2
N37337691: length 0.6
  TOP w0.2: U471.3 R250.2
N37337951: length 0.6
  TOP w0.2: U472.3 R251.2
N37338231: length 0.6
  TOP w0.2: U473.3 R252.2
N37338571: length 0.6
  TOP w0.2: U474.3 R253.2
N37338911: length 0.6
  TOP w0.2: U475.3 R254.2
N37339191: length 0.6
  TOP w0.2: U476.3 R255.2
N37339531: length 0.6
  TOP w0.2: U477.3 R256.2
N37339871: length 0.6
  TOP w0.2: U478.3 R257.2
N37340151: length 0.6
  TOP w0.2: U479.3 R258.2
N37341611: length 0.6
  TOP w0.2: U480.3 R259.2
N37341931: length 0.6
  TOP w0.2: U481.3 R260.2
N37342251: length 0.6
  TOP w0.2: U482.3 R261.2
N37342571: length 0.6
  TOP w0.2: U483.3 R262.2
N37342891: length 0.6
  TOP w0.2: U484.3 R263.2
N37343051: length 0.6
  TOP w0.2: U485.3 R264.2
N37343211: length 0.6
  TOP w0.2: U486.3 R265.2
N37343371: length 0.6
  TOP w0.2: U487.3 R266.2
N37343531: length 0.6
  TOP w0.2: U488.3 R267.2
N37343691: length 0.6
  TOP w0.2: U489.3 R268.2
N37343851: length 0.6
  TOP w0.2: U490.3 R269.2
N37344011: length 0.6
  TOP w0.2: U491.3 R270.2
N37344171: length 0.6
  TOP w0.2: U492.3 R271.2
N37344331: length 0.6
  TOP w0.2: U493.3 R272.2
N37344491: length 0.6
  TOP w0.2: U494.3 R273.2
N37344651: length 0.6
  TOP w0.2: U495.3 R274.2
N37344811: length 0.6
  TOP w0.2: U496.3 R275.2
N37344971: length 0.6
  TOP w0.2: U497.3 R276.2
N37345131: length 0.6
  TOP w0.2: U498.3 R277.2
N37345291: length 0.6
  TOP w0.2: U499.3 R278.2
N37345451: length 0.6
  TOP w0.2: U500.3 R279.2
N37345611: length 0.6
  TOP w0.2: U501.3 R280.2
N37345771: length 0.6
  TOP w0.2: U502.3 R281.2
N37345931: length 0.6
  TOP w0.2: U503.3 R282.2
N37346091: length 0.6
  TOP w0.2: U504.3 R283.2
N37346251: length 0.6
  TOP w0.2: U505.3 R284.2
N37346411: length 0.6
  TOP w0.2: U506.3 R285.2
N37346571: length 0.6
  TOP w0.2: U507.3 R286.2
N37346731: length 0.6
  TOP w0.2: U508.3 R287.2
N37346891: length 0.6
  TOP w0.2: U509.3 R288.2
N37347051: length 0.6
  TOP w0.2: U510.3 R289.2
N37347211: length 0.6
  TOP w0.2: U511.3 R290.2
N37347371: length 0.6
  TOP w0.2: U512.3 R291.2
N37347531: length 0.6
  TOP w0.2: U513.3 R292.2
N37347691: length 0.6
  TOP w0.2: U514.3 R293.2
N39035160: length 3.9
  TOP w0.2: CCOMP1.2 17.25,25.55 17.25,23.85 17.8,23.3 RCOMP1.1
N39052251: length 7.5
  TOP w0.2: RCOMP2.2 v1(30.33,27) ; v1(30.33,22.97) 28.47,22.97 28.45,23 CCOMP3.1
  BOTTOM w0.2: v1(30.33,22.97) v1(30.33,27)

## Copper pours and planes (outline as drawn; the poured copper is in the pictures)
GND on TOP (solid shape): 2.78,40.99 2.85,41.02 2.92,40.99 3.38,40.53 2.85,39.98 2.32,40.53
GND on TOP (solid shape): 3.38,43.97 2.92,43.51 2.85,43.48 2.78,43.51 2.32,43.97 2.85,44.52
N3904607 on TOP (solid shape): 24.89,13.86 24.9,13.8 24.89,13.74 24.5,13.35 23.47,13.8 24.5,14.25

Small or netless copper shapes (teardrops, artwork), in the pictures only: 1463 on TOP, 257 on BOTTOM

## Text on the board
Ref Des/Silkscreen Top: RPGOOD | CCOMP2 | CCOMP1 | RCOMP1 | COUT | CVCC | CBYP | CIN | CSS | SW1 | U515 | RCOMP2 | DS | U516 | RFBT | RS | M2 | CCOMP3 | L1 | CBST | M1 | RFBB | RPOWER | DS1 | G | V | DC-LED | GND | COL_B[119..0] | COL_A[119..0] | COL_C[119..0] | NULL | RLED | N-MOS | Polarity | Led | ROW_C[19..37] | ROW_B[0..37] | P-MOS | ROW_A[0..37] | ROW_C[0..18] | + | - | Power | Copyright(c) | 2014 dtysky
NCLEGEND-1-2: FIGURE | SIZE | 0.3 | 0.4 | 0.55 | 0.8 | 0.9 | 2.0 | DRILL CHART: TOP to BOTTOM | ALL UNITS ARE IN MILLIMETERS | PLATED | QTY | 14449 | 198 | 640 | 6 | 5 | 4
